# Altium PCB PROC054D_MMWCAS_RF_EVM_ASCII.PcbDoc (part 9 of 13) (continued)
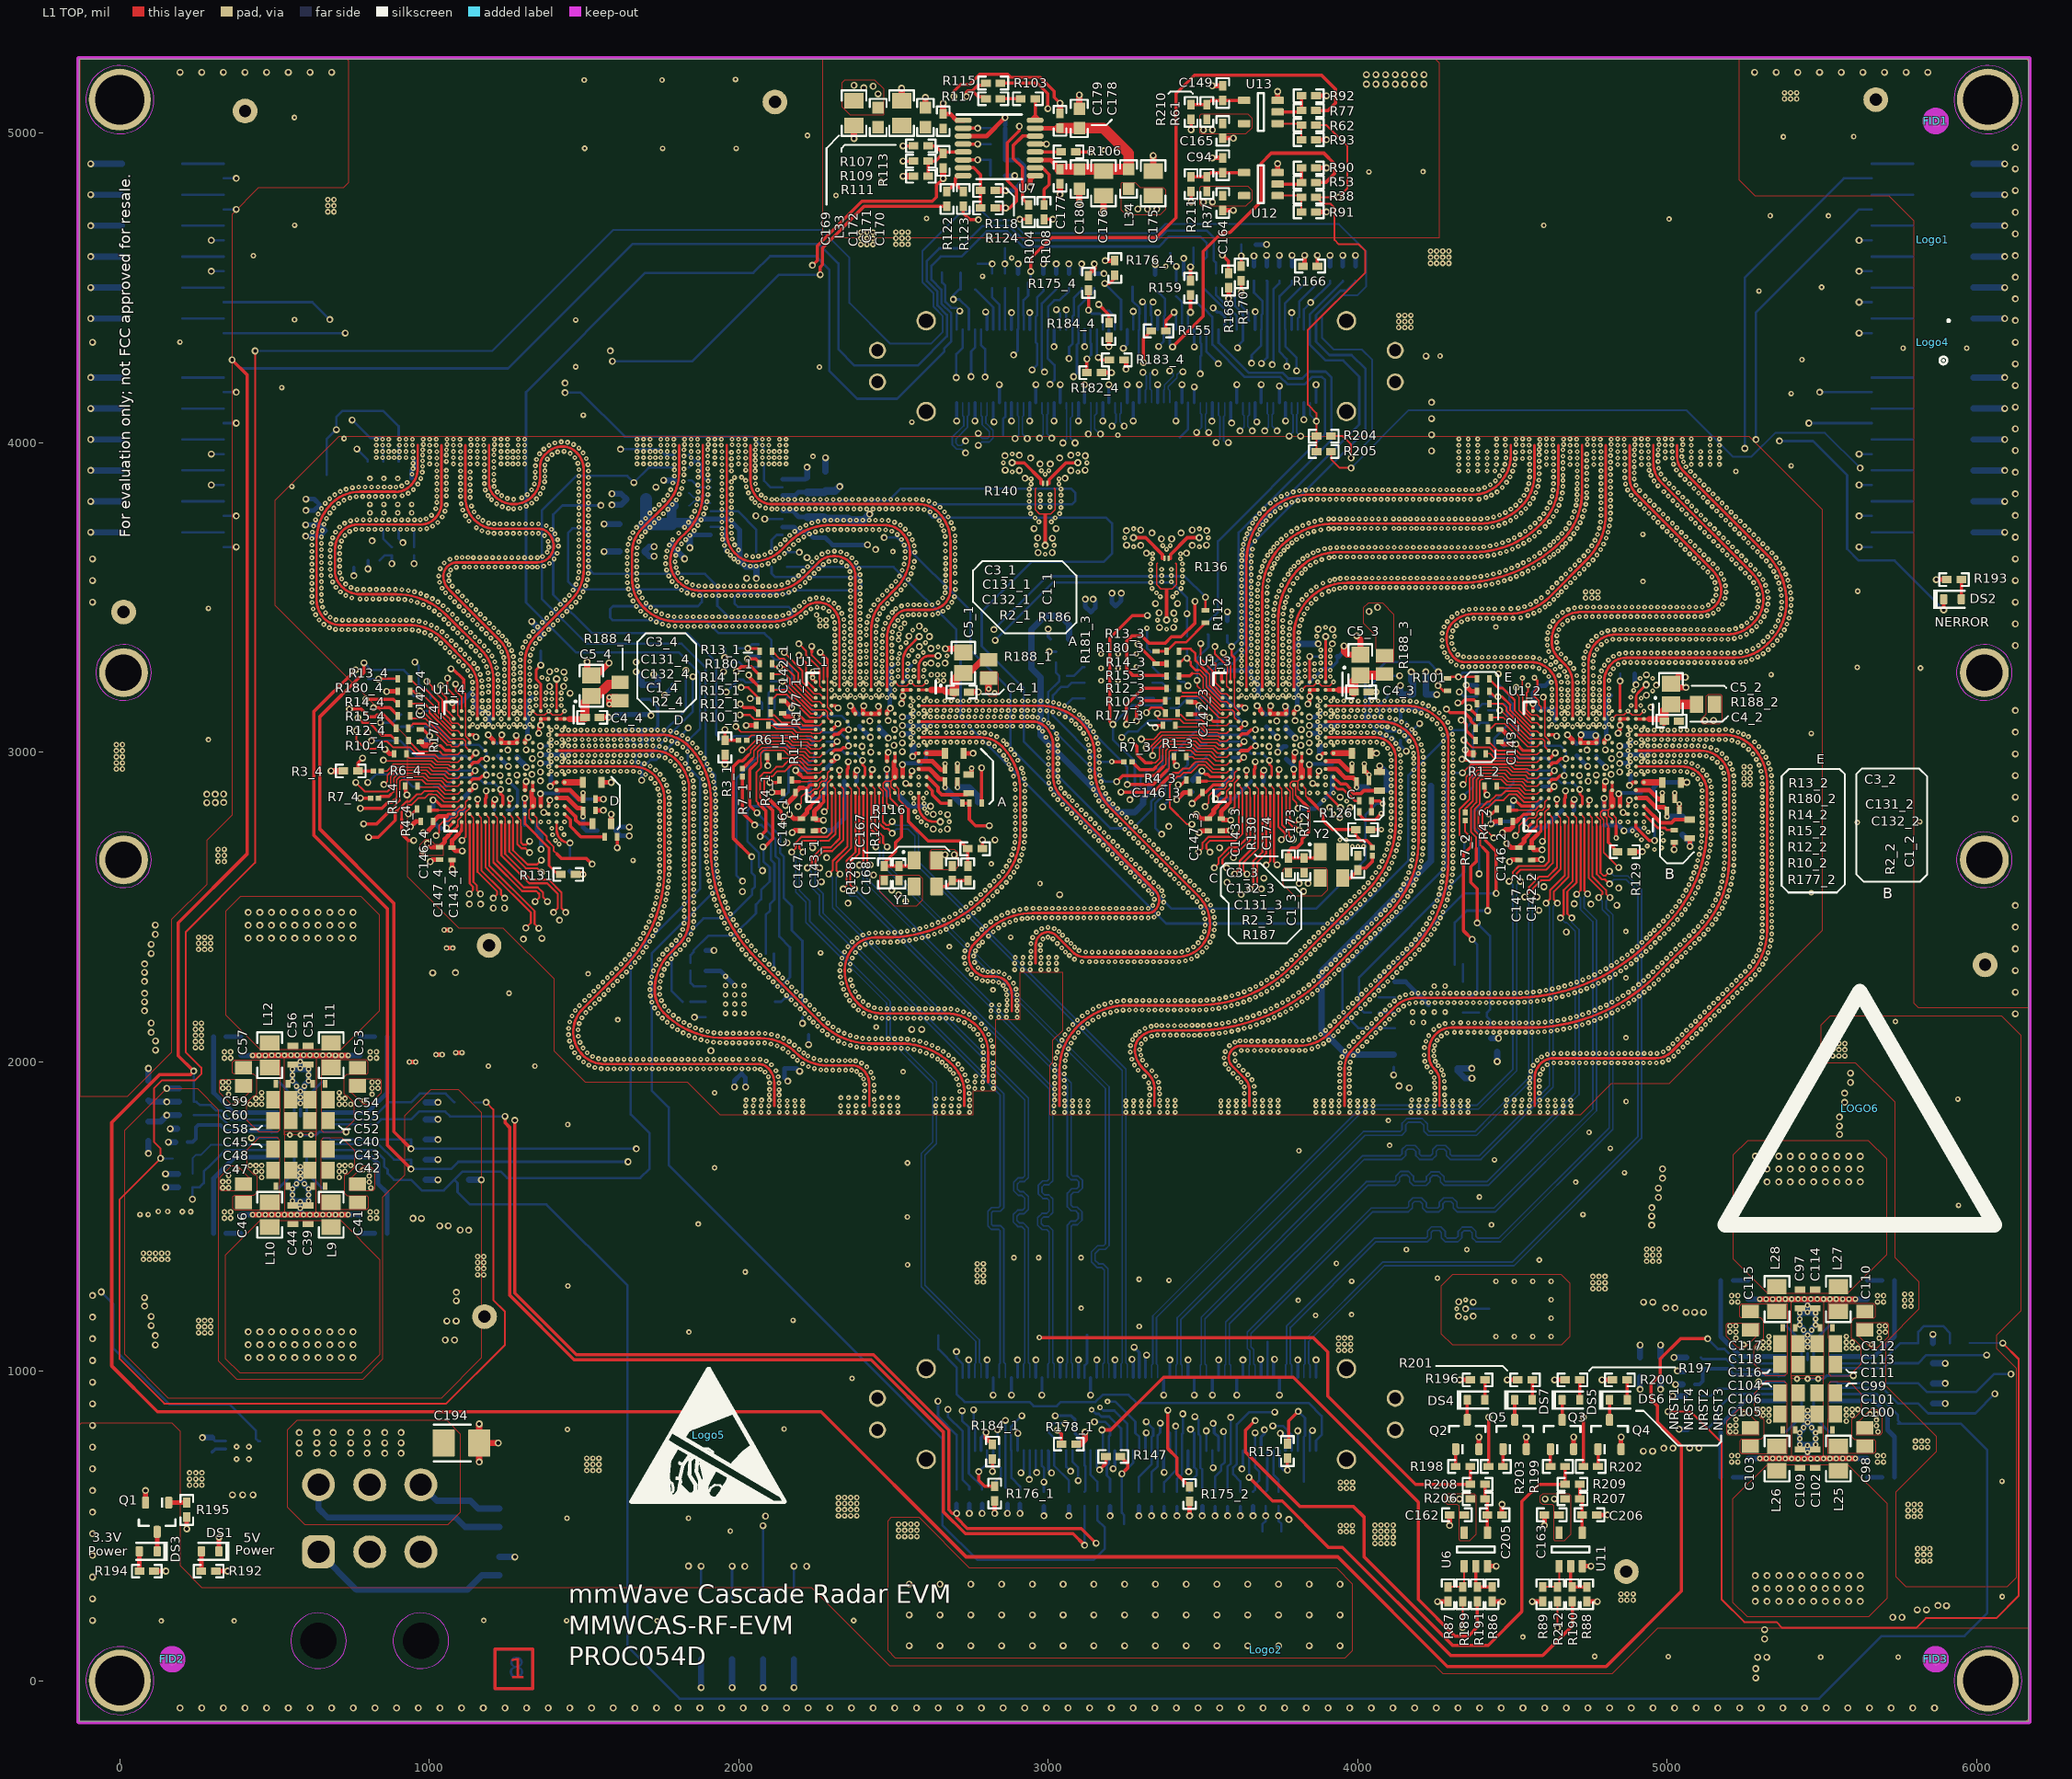
[diagram p0: L1 TOP view]
## Nets (pads, with @x,y where several pads share a name; then routed paths per layer and width w, separated by ;. In a path a pad name is that pad's centre, name@x,y a point inside that pad or via, vN(x,y) a via of type N, cw(c..) or ccw(c..) an arc to the next point about the centre after c; other vN are vias at no path point) (continued)
2551.12,3704.62 3642.87,3705.3 1483.66,3706.09 3839.48,3706.1 4660.25,3705.96 4698.77,3705.6 5233.52,3705.73 1209.35,3706.66 1230.02,3706.66 1250.69,3706.66 1271.36,3706.66 1292.03,3706.66 1312.7,3706.66 1333.37,3706.66 1352.64,3706.66 1805.76,3707.44 5167.62,3707 1976.4,3707.89 1190,3708.97 1657.78,3709.28 622.34,3710.42 5046.27,3710.35 5121.05,3710.19 697.07,3710.76 4587.24,3710.65 4809.52,3710.88 1698.2,3711.51 2247.8,3711.7 742.45,3713.31 2180.93,3713.18 3785.98,3712.53 3858.94,3713.05 4999.96,3713.28 2494.62,3713.56 4541.6,3713.75 1170.28,3715.16 2663,3715 654.36,3715.86 1855.9,3715.73 2267.94,3716.33 5265.67,3716.96 2288.5,3718.49 2474.53,3718.44 3880.97,3718.16 762.18,3719.47 2309.17,3718.66 2329.84,3718.66 2350.51,3718.66 2371.18,3718.66 2391.85,3718.66 2412.52,3718.66 2433.19,3718.66 2453.86,3718.66 3684.54,3719 782.85,3719.66 803.52,3719.66 824.19,3719.66 844.86,3719.66 865.53,3719.66 886.2,3719.66 906.87,3719.66 927.54,3719.66 948.21,3719.66 970.92,3719.66 1394.84,3719.85 5218.91,3720.34 2538.05,3720.63 3276.3,3721.45 3488.62,3721.43 3906.35,3721.46 991.42,3722.27 1514.34,3722.16 2693.82,3721.79 3650.68,3722.28 3922.61,3722 4672.98,3722.25 5153.01,3721.62 1945.72,3722.61 3803.75,3723.08 3940.69,3722.72 3961.36,3722.72 3982.03,3722.72 4002.7,3722.72 4023.37,3722.72 4044.04,3722.72 4064.71,3722.72 4087.38,3722.72 4117.05,3722.72 4133.72,3722.72 4152.39,3722.72 4173.06,3722.72 4190.73,3722.72 4209.4,3722.72 4230.07,3722.72 4250.74,3722.72 4271.41,3722.72 4292.08,3722.72 4312.75,3722.72 4333.42,3722.72 4354.09,3722.72 4374.76,3722.72 4395.43,3722.72 4709.8,3723.08 4781.05,3723.34 2198.47,3724.11 4416.07,3723.82 1152.1,3725.01 5031.66,3724.96 5106.44,3724.81 1669.88,3726.04 1712.82,3726.13 1824.62,3726.46 4558.11,3726.19 710.11,3726.8 1483.66,3726.76 4436.49,3727 4985.34,3727.9 1976.4,3728.56 4606.37,3728.85 1010.62,3729.93 626.29,3730.71 4813.99,3731.06 1377.92,3731.72 1868.03,3732.47 2656,3732 3822.33,3732.15 4456.49,3732.21 5251.05,3731.58 2217.04,3733.19 2522,3733.66 3693.93,3734.3 5204.29,3734.96 659.83,3735.79 5138.39,3736.24 1209.35,3737.33 1228.62,3737.34 1249.29,3737.34 1269.96,3737.34 1290.63,3737.34 1311.3,3737.34 1331.97,3737.34 1352.64,3737.34 726.43,3739.48 4475.87,3739.42 5091.82,3739.42 1191.7,3740.12 2236.44,3740.31 3660.38,3740.01 3841.58,3739.67 4573.69,3739.77 4683.99,3739.74 5017.04,3739.58 1684.23,3740.92 1727.43,3740.74 2686.79,3741.23 4719.24,3741.46 1027.3,3742.15 1837.72,3742.45 1514.34,3742.83 1945.72,3743.28 2503.57,3743.01 4970.72,3742.52 2970.06,3744.02 3010.14,3744.02 4620.19,3744.22 4784.89,3743.65 2256.47,3745.41 1128.67,3746.36 3861.39,3745.58 5236.44,3746.19 1483.66,3747.43 745.48,3747.51 1172.7,3748.25 2276.92,3748.43 2483.57,3748.25 2648.14,3747.68 3704.1,3748.02 1976.4,3749.23 2297.57,3749.34 2318.24,3749.34 2338.91,3749.34 2359.58,3749.34 2380.25,3749.34 2400.92,3749.34 2421.59,3749.34 2442.26,3749.34 2462.93,3749.34 4494.41,3748.54 632.51,3750.42 765.95,3750.34 786.62,3750.34 807.29,3750.34 827.96,3750.34 848.63,3750.34 869.3,3750.34 889.97,3750.34 910.64,3750.34 931.31,3750.34 951.98,3750.34 970.92,3750.34 1878.35,3750.38 3881.61,3749.86 5189.68,3749.57 5123.77,3750.85 4816.57,3751.57 3906.32,3753.12 3922.77,3753.4 3943.44,3753.4 3964.11,3753.4 3984.78,3753.4 4005.45,3753.4 4026.12,3753.4 4046.79,3753.4 4067.46,3753.4 4090.13,3753.4 4115.8,3753.4 4134.47,3753.4 4153.14,3753.4 4170.81,3753.4 4191.48,3753.4 4212.15,3753.4 4232.82,3753.4 4253.49,3753.4 4274.16,3753.4 4294.83,3753.4 4315.5,3753.4 4336.17,3753.4 4356.84,3753.4 4377.51,3753.4 4398.18,3753.43 989.88,3753.98 3670.39,3754.34 5002.43,3754.19 5077.21,3754.04 667.95,3754.8 1742.05,3755.36 4418.78,3755.05 4588.51,3754.5 1698.85,3755.54 2957.5,3756.58 3022.69,3756.59 4956.11,3757.13 4693.15,3758.27 2677.09,3759.48 4439.05,3759.1 4511.95,3759.49 1041.67,3759.86 1157.84,3759.84 1848.72,3759.95 4632.32,3760.96 4727.01,3760.62 5221.82,3760.81 1116.9,3763.35 1514.34,3763.5 3717.91,3763.4 1945.72,3763.95 2634.9,3763.55 4786.52,3764.26 5175.06,3764.19 1007.15,3765.34 5109.16,3765.47 4458.7,3765.52 1483.66,3768.1 640.91,3769.3 1886.72,3769.28 4987.81,3768.81 5062.59,3768.65 1756.66,3769.97 1976.4,3769.9 4601.66,3770.45 2943.4,3770.77 3036.79,3770.78 3683.04,3770.68 1713,3772 4528.29,3772.15 4817.26,3772.23 4941.49,3771.75 678.58,3772.53 4477.45,3774.23 5207.2,3775.43 1145.02,3776.06 2618.43,3776.03 2664.91,3776.18 3733.26,3777.25 4700.38,3777.64 1050.44,3778.57 1857.46,3778.68 4642.61,3778.88 5160.44,3778.81 4733.06,3780.38 5094.54,3780.08 1108.23,3782.11 4973.19,3783.43 5047.97,3783.27 1514.34,3784.17 2599.18,3783.57 1728.08,3784.77 1771.28,3784.59 1945.72,3784.62 4495.03,3785.09 4786.58,3784.93 1272.74,3785.9 2107.01,3785.66 2123.88,3785.66 2144.55,3785.66 2165.22,3785.66 2185.89,3785.66 2206.56,3785.66 2227.23,3785.66 2247.9,3785.66 2268.57,3785.66 2289.24,3785.66 2309.91,3785.66 2330.58,3785.66 2351.25,3785.66 2371.92,3785.66 2392.59,3785.66 2413.26,3785.66 2433.93,3785.66 2454.6,3785.66 2475.27,3785.66 2495.94,3785.66 2516.61,3785.66 2537.28,3785.66 2557.95,3785.66 2578.62,3785.66 3697.03,3785.9 4543.26,3786.4 4926.88,3786.36 651.4,3787.12 1020.73,3786.54 1255.62,3787.36 1293.3,3788.02 2086.59,3788.34 4612.71,3787.92 691.52,3788.65 1483.66,3788.77 1893.06,3788.95 3750.1,3789.23 2938.75,3790.22 3041.45,3790.22 5192.59,3790.04 1976.4,3790.57 2650.44,3790.93 2974.61,3792.08 3005.86,3792.08 1235.71,3792.93 4817.26,3792.9 5145.83,3793.42 1312.99,3794.3 1136.3,3794.8 5079.92,3794.7 2067.49,3796.24 1863.81,3798.35 4511.2,3797.97 4650.96,3797.79 4705.6,3797.64 4958.58,3798.04 5033.36,3797.89 1054.67,3798.81 1742.69,3799.38 3768.2,3799.21 1785.51,3799.58 4737.34,3800.6 4912.26,3800.98 1102.93,3802.09 1217.36,3802.44 4556.4,3802.35 706.7,3802.68 2633.48,3802.76 663.83,3803.63 1330.99,3804.48 3718.06,3804.3 1514.34,3804.84 1945.72,3805.29 5177.97,3804.66 4786.58,3805.6 1024.36,3806.89 2052.5,3806.5 3787.34,3807.03 4621.49,3806.63 5131.21,3808.04 1483.66,3809.44 1897.3,3809.18 5065.31,3809.31 2938.75,3810.22 3041.45,3810.22 1976.4,3811.24 2614.56,3811.07 2974.61,3812.08 3005.86,3812.08 3807.24,3812.59 4525.64,3812.75 4943.96,3812.66 5018.74,3812.5 724.19,3813.69 1757.28,3814.03 4817.26,3813.57 1201.32,3815.48 1798,3815 4708,3815 4897,3815 2107.01,3816.34 2123.66,3816.34 2141.66,3816.34 2160.33,3816.34 2181,3816.34 2201.67,3816.34 2222.34,3816.34 2243.01,3816.34 2263.68,3816.34 2284.35,3816.34 2305.02,3816.34 2325.69,3816.34 2346.36,3816.34 2367.03,3816.34 2387.7,3816.34 2408.37,3816.34 2429.04,3816.34 2449.71,3816.34 2470.38,3816.34 2491.05,3816.34 2511.72,3816.34 2532.39,3816.34 2553.06,3816.34 2573.73,3816.34 2594.38,3815.56 3735.09,3816.02 3827.66,3815.83 3890,3816 1272.74,3816.58 3848.31,3816.72 3868.98,3816.72 3910.32,3816.72 3930.99,3816.72 3951.66,3816.72 3972.33,3816.72 3993,3816.72 4013.67,3816.72 4034.34,3816.72 4055.01,3816.72 4075.68,3816.72 4096.35,3816.72 4117.02,3816.72 4137.69,3816.72 4158.36,3816.72 4179.03,3816.72 4199.7,3816.72 4220.37,3816.72 4241.04,3816.72 4261.71,3816.72 4282.38,3816.72 4303.05,3816.72 4323.72,3816.72 4344.39,3816.72 4365.06,3816.72 4392.65,3817.2 4657.26,3817.48 1346.52,3818.11 678.07,3818.61 1867.65,3818.66 5163.36,3819.27 1252.29,3819.61 2041.6,3819.84 4567.4,3819.85 743.42,3821.27 2086.82,3820.75 4739.81,3821.13 1298.93,3821.67 1131.82,3822.68 4414.4,3822.7 5116.6,3822.65 5050.69,3823.93 763.72,3825.15 784.39,3825.66 805.06,3825.66 825.73,3825.66 846.4,3825.66 867.07,3825.66 887.74,3825.66 1024.36,3825.96 1101.14,3825.96 1514.34,3825.51 1945.72,3825.96 3753.18,3826.02 4627.86,3826.29 4786.58,3826.27 4929.35,3827.27 5004.12,3827.12 912.43,3828.27 1055.04,3827.56 1190.01,3828.45 1233.61,3828.46 1483.66,3830.11 1770.23,3830.14 2938.75,3830.22 3041.45,3830.22 4432.5,3829.95 4537.64,3829.58 4884.19,3829.54 2072.77,3830.53 694.22,3831.51 1316.74,3832.16 1900,3832 1976.4,3831.91 2974.61,3832.08 3005.86,3832.08 4709,3832 1808,3833 3772.17,3834.18 4817.26,3834.24 5148.74,3833.89 1358.94,3834.64 931.63,3835.93 5101.98,3837.27 2031.15,3837.67 4661.45,3837.72 4576.07,3838.62 4740.48,3838.71 5036.08,3838.54 1219.84,3840.34 3791.87,3840.44 1869,3841 4450.45,3840.5 712.08,3841.93 4989.51,3841.73 1131.82,3843.35 3812.09,3844.73 4911.14,3845.49 1514.34,3846.18 1024.36,3846.63 1101.14,3846.63 1181.01,3847.06 1330.71,3847.4 1945.72,3846.63 2060.59,3847.23 3832.63,3847.01 3853.3,3847.4 3915.31,3847.4 3935.98,3847.4 3956.65,3847.4 3977.32,3847.4 3997.99,3847.4 4018.66,3847.4 4039.33,3847.4 4060,3847.4 4080.67,3847.4 4099.34,3847.4 4122.01,3847.4 4142.68,3847.4 4163.35,3847.4 4184.02,3847.4 4204.69,3847.4 4225.36,3847.4 4246.03,3847.4 4266.7,3847.4 4287.37,3847.4 4308.04,3847.4 4328.71,3847.4 4349.38,3847.4 4370.05,3847.4 4631.73,3846.6 4786.58,3846.94 4872.84,3846.81 948.3,3848.15 1055.04,3848.23 1780.33,3848.18 3873,3848 3893,3848 4546.84,3848.09 4390.66,3849.02 5134.12,3848.51 731.26,3849.63 2938.75,3849.99 3041.45,3849.99 4709,3850 1483.66,3850.78 1816,3852 5087.36,3851.89 1367.72,3853.35 1976.4,3852.58 5021.46,3853.16 751.35,3854.46 1901,3855 4410.55,3854.62 4467.35,3854.8 4817.26,3854.91 771.94,3856.32 792.61,3856.34 813.28,3856.34 833.95,3856.34 854.62,3856.34 873.29,3856.34 891.93,3856.34 2024.68,3857.31 1209.7,3858.35 4582.28,3858.34 4663.49,3858.29 4740.48,3859.38 910.88,3859.97 4970.91,3860.33 4899.34,3862.46 1868,3863 5119.51,3863.12 1131.82,3864.02 4428.97,3864 962.82,3865.74 1339.6,3866.06 2944.99,3866.41 3035.25,3866.41 4865.77,3866.23 1024.36,3867.3 1101.14,3867.3 1177.92,3867.5 1514.34,3866.85 1945.72,3867.3 2054.09,3866.85 4633.02,3867.23 4709.8,3867.3 5072.75,3866.5 4553,3867.83 4786.58,3867.61 5006.84,3867.78 1055.04,3868.9 1787,3870 928.15,3871.34 1483.66,3871.45 4481.36,3871.63 1372.49,3873.46 1976.4,3873.25 1821,3874 1901,3876 4817.26,3875.58 4957.84,3876.34 4445.2,3876.8 1208.6,3878.17 2022.5,3877.86 4663.7,3877.9 5104.89,3877.74 4585.9,3878.68 4740.48,3880.05 5058.13,3881.12 4894.2,3882.48 4992.83,3881.79 2944.99,3882.68 3035.25,3882.68 972.09,3884.21 1131.82,3884.69 1342.66,3886.5 1986.5,3887 2053.18,3886.88 4863.37,3886.76 1024.36,3887.97 1101.14,3887.97 1177.92,3887.97 1514.34,3887.52 1868.94,3887.97 1945.72,3887.97 2009,3888 4555.96,3888.28 4633.02,3887.97 4709.8,3887.97 4786.58,3888.28 4492.53,3889.02 1055.04,3889.57 1373.34,3890.67 1483.66,3892.12 1792,3892 5090.28,3892.35 4458.63,3892.52 4663.7,3894.18 4948.13,3894.59 1823,3896 1900,3896 4817.26,3896.25 5043.52,3895.73 2990.12,3897.23 944.36,3897.82 1208.6,3898.17 4980.36,3898.28 4586.92,3899.33 4740.48,3900.72 4894.05,3902.43 977.24,3904.23 1131.82,3905.36 1342.66,3904.67 2883.94,3905.68 3096.26,3905.66 5075.66,3906.97 1514.34,3908.19 4501.1,3907.83 1024.36,3908.64 1101.14,3908.64 1177.92,3908.64 1373.34,3908.67 1868.94,3908.64 1945.72,3908.64 1976.4,3908.53 2053.18,3908.88 2978.12,3909.23 3002.12,3909.23 4326.89,3908.64 4357.37,3908.64 4387.85,3908.64 4418.33,3908.64 4443.81,3908.64 4556.24,3908.95 4633.02,3908.64 4709.8,3908.64 4786.58,3908.95 4863.37,3908.64 1055.04,3910.24 4468.97,3910.41 2022.5,3910.64 4942.01,3911 5030.06,3911.42 1792.16,3911.64 1483.66,3912.79 1822.84,3914.95 1899.62,3915.11 4663.7,3914.85 947.58,3916.24 4817.26,3916.61 4972.86,3917.54 1208.6,3918.84 4586.92,3920 4740.48,3921.39 4894,3921 5061.05,3921.59 978.26,3923.05 1342.68,3925.34 2053.18,3925.55 1373.52,3927.34 1976.4,3927.2 4506.9,3927.67 1024.36,3929.31 1101.14,3929.31 1177.92,3929.31 1512.89,3928.81 1792.16,3929.31 1868.94,3929.31 1945.72,3929.31 2022.5,3929.31 4326.89,3929.31 4357.37,3929.31 4387.85,3929.31 4418.33,3929.31 4448.81,3929.31 4609.97,3929.31 4633.02,3929.31 4686.59,3929.31 4709.8,3929.31 4763.37,3929.31 4786.58,3929.31 4840.31,3929.31 4863.36,3929.31 4917.09,3929.31 4940.45,3929.31 4475.91,3929.88 4556.24,3929.62 5020.99,3930 5077.98,3929.62 5108.46,3929.62 5138.94,3929.62 5169.42,3929.62 1001.31,3931.32 1078.09,3931.32 1131.82,3930.79 1154.87,3931.32 1231.65,3931.32 1252.7,3931.32 1270.04,3931.32 1287.38,3931.32 1308.43,3931.32 1671.28,3931.32 1692.33,3931.32 1713.38,3931.32 1730.72,3931.32 1748.06,3931.32 1769.11,3931.32 1845.89,3931.32 1922.67,3931.32 1999.45,3931.32 2076.23,3931.32 2097.28,3931.32 2114.62,3931.32 2131.96,3931.32 2153.01,3931.32 947.58,3932.98 1480.15,3933.16 2855.06,3934.57 3125.14,3934.55 1822.84,3935.62 1899.62,3935.78 4663.7,3935.52 4817.26,3937.28 5053.25,3938.35 1055.04,3939.16 4894.04,3939.31 4970.82,3938.94 1208.6,3939.68 4586.92,3940.36 978.26,3941.05 4740.48,3942.06 2053.64,3943 1346.36,3945.68 1381.41,3946.44 1976.4,3947.87 4509.8,3948.13 4532.86,3948.3 1507.06,3948.64 947.58,3949.98 1024.36,3949.98 1101.14,3949.98 1177.92,3949.98 1792.16,3949.98 1868.94,3949.98 1945.72,3949.98 2022.5,3949.98 4326.89,3949.98 4357.37,3949.98 4387.85,3949.98 4418.33,3949.98 4448.81,3949.98 4479.19,3950.29 4556.24,3949.98 4609.97,3949.98 4633.02,3949.98 4686.59,3949.98 4709.8,3949.98 4763.37,3949.98 4786.58,3949.98 4840.31,3949.98 4863.36,3949.98 4917.09,3949.98 4940.14,3949.98 4993.87,3949.98 5017.06,3949.98 5077.98,3950.29 5108.46,3950.29 5138.94,3950.29 5169.42,3950.29 828.8,3951.32 848.8,3951.32 868.8,3951.32 886.14,3951.32 903.48,3951.32 924.58,3951.32 1001.31,3951.32 1078.09,3951.32 1131.82,3951.46 1154.87,3951.32 1231.65,3951.32 1252.7,3951.32 1270.04,3951.32 1287.38,3951.32 1308.43,3951.32 1470.28,3951.32 1671.28,3951.32 1692.33,3951.32 1713.38,3951.32 1730.72,3951.32 1748.06,3951.32 1769.11,3951.32 1845.89,3951.32 1922.67,3951.32 1999.45,3951.32 2076.23,3951.32 2097.28,3951.32 2114.62,3951.32 2131.96,3951.32 2153.01,3951.32 5047.6,3955.02 1822.84,3956.29 1899.62,3956.45 4663.7,3956.19 4817.26,3957.95 978.26,3959.72 1055.04,3959.83 1208.6,3960.35 2053.64,3960 4894.04,3959.98 4970.82,3959.61 1396.3,3960.77 4586.92,3961.03 2883.94,3963.46 3096.26,3963.44 4740.48,3962.73 1356.11,3963.9 1455.02,3965.26 1497.05,3966.72 1976.4,3968.54 4510.14,3968.8 1414.84,3969.93 828.8,3971.32 848.8,3971.32 868.8,3971.32 886.14,3971.32 903.48,3971.32 924.58,3971.32 947.58,3970.65 1001.31,3971.32 1024.36,3970.65 1078.09,3971.32 1101.14,3970.65 1154.87,3971.32 1177.92,3970.65 1231.65,3971.32 1252.7,3971.32 1270.04,3971.32 1287.38,3971.32 1308.43,3971.32 1671.28,3971.32 1692.33,3971.32 1713.38,3971.32 1730.72,3971.32 1748.06,3971.32 1769.11,3971.32 1792.16,3970.65 1845.89,3971.32 1868.94,3970.65 1922.67,3971.32 1945.72,3970.65 1999.45,3971.32 2022.5,3970.65 2076.23,3971.32 2097.28,3971.32 2114.62,3971.32 2131.96,3971.32 2153.01,3971.32 4327.16,3970.65 4357.64,3970.65 4388.12,3970.65 4418.6,3970.65 4449.08,3970.65 4479.46,3970.96 4533.19,3970.96 4556.24,3970.65 4609.97,3970.65 4633.02,3970.65 4686.59,3970.65 4709.8,3970.65 4763.37,3970.65 4786.58,3970.65 4840.31,3970.65 4863.36,3970.65 4917.09,3970.65 4940.14,3970.65 4993.87,3970.65 5016.92,3970.65 5077.98,3970.65 5108.46,3970.65 5138.94,3970.65 5169.42,3970.65 1131.82,3972.13 1435.42,3971.82 5047.6,3975.38 978.8,3977 1055.8,3977 1209.8,3977 1822.84,3976.96 1899.62,3977.12 2053.64,3977 4663.7,3976.86 4818,3976.69 4895,3976.69 4971,3976.69 4586.92,3977.7 1370.3,3978.94 1483.36,3982.21 828.8,3991.32 848.8,3991.32 868.8,3991.32 903.48,3991.32 924.58,3991.32 945.58,3991.32 1001.31,3991.32 1022.36,3991.32 1078.09,3991.32 1099.14,3991.32 1154.87,3991.32 1175.92,3991.32 1231.65,3991.32 1252.7,3991.32 1287.38,3991.32 1308.43,3991.32 1386.91,3991.23 1671.28,3991.32 1692.33,3991.32 1713.38,3991.32 1748.06,3991.32 1769.11,3991.32 1790.16,3991.32 1845.89,3991.32 1866.94,3991.32 1922.67,3991.32 1943.72,3991.32 1999.45,3991.32 2020.5,3991.32 2076.23,3991.32 2097.28,3991.32 2131.96,3991.32 2153.01,3991.32 4327.16,3991.32 4357.64,3991.32 4388.12,3991.32 4449.08,3991.32 4477.46,3991.32 4533.19,3991.32 4554.24,3991.32 4609.97,3991.32 4631.02,3991.32 4686.59,3991.32 4707.8,3991.32 4763.37,3991.32 4784.58,3991.32 4840.31,3991.32 4861.36,3991.32 4917.09,3991.32 4938.14,3991.32 4993.87,3991.32 5014.92,3991.32 5077.98,3991.32 5138.94,3991.32 5169.42,3991.32 1134.8,3992 1978.64,3993 980.8,3994 1056.8,3994 1210.8,3994 1466.4,3994.02 1824.64,3994 1901.64,3994 2055.64,3994 4512.14,3994.05 4588.92,3994.05 4665.7,3994.05 4742.48,3994.05 4896,3993.69 4974,3993.69 5051,3993.69 4819,3994.69 1405.95,3999.3 1446.94,4001 1426.34,4002.68 828.8,4010.99 848.8,4010.99 868.8,4010.99 903.48,4011.05 924.58,4010.99 945.58,4010.99 980.26,4011.05 1001.31,4010.99 1022.36,4010.99 1057.04,4011.05 1078.09,4010.99 1099.14,4010.99 1133.82,4011.05 1154.87,4010.99 1175.92,4010.99 1210.6,4011.05 1231.65,4010.99 1252.7,4010.99 1287.38,4011.05 1308.43,4011.05 1671.28,4010.99 1692.33,4010.99 1713.38,4010.99 1748.06,4011.05 1769.11,4011.05 1790.16,4010.99 1824.84,4011.05 1845.89,4011.05 1866.94,4010.99 1901.62,4011.05 1922.67,4011.05 1943.72,4010.99 1978.4,4011.05 1999.45,4011.05 2020.5,4010.99 2055.18,4011.05 2076.23,4011.05 2097.28,4010.99 2131.96,4011.05 2153.01,4011.05 4477.46,4010.99 4512.14,4011.05 4554.24,4010.99 4588.92,4011.05 4631.02,4010.99 4665.7,4011.05 4707.8,4010.99 4742.48,4011.05 4784.58,4010.99 4819.26,4011.05 4861.36,4010.99 4896.04,4011.05 4938.14,4010.99 4972.82,4011.05 5014.92,4010.99 5049.6,4011.05 4327.16,4011.99 4357.64,4011.99 4388.12,4011.99 4449.08,4011.99 4533.19,4011.99 4609.97,4011.99 4686.59,4011.99 4763.37,4011.99 4840.31,4011.99 4917.09,4011.99 4993.87,4011.99 5077.98,4011.99 5138.94,4011.99 5169.42,4011.99
  other v2: 194.43,-88.31 264.43,-88.31 334.43,-88.31 404.43,-88.31 474.43,-88.31 544.42,-88.31 614.42,-88.31 684.42,-88.31 754.42,-88.31 824.42,-88.31 894.42,-88.31 964.42,-88.31 1034.41,-88.31 1104.41,-88.31 1174.41,-88.31 1244.41,-88.31 1314.41,-88.31 1384.41,-88.31 1454.41,-88.31 1524.41,-88.31 1594.4,-88.31 1664.4,-88.31 1734.4,-88.31 1804.4,-88.31 1874.4,-88.31 1944.4,-88.31 2014.4,-88.31 2084.39,-88.31 2154.39,-88.31 2224.39,-88.31 2294.39,-88.31 2364.39,-88.31 2434.39,-88.31 2504.39,-88.31 2574.38,-88.31 2644.38,-88.31 2714.38,-88.31 2784.38,-88.31 2854.38,-88.31 2924.38,-88.31 2994.38,-88.31 3064.37,-88.31 3134.37,-88.31 3204.37,-88.31 3274.37,-88.31 3344.37,-88.31 3414.37,-88.31 3484.37,-88.31 3554.36,-88.31 3624.36,-88.31 3694.36,-88.31 3764.36,-88.31 3834.36,-88.31 3904.36,-88.31 3974.36,-88.31 4044.35,-88.31 4114.35,-88.31 4184.35,-88.31 4254.35,-88.31 4324.35,-88.31 4394.35,-88.31 4464.35,-88.31 4534.35,-88.31 4604.34,-88.31 4674.34,-88.31 4744.34,-88.31 4814.34,-88.31 4884.34,-88.31 4954.34,-88.31 5024.34,-88.31 5094.33,-88.31 5164.33,-88.31 5234.33,-88.31 5304.33,-88.31 5374.33,-88.31 5444.33,-88.31 5514.33,-88.31 5584.32,-88.31 5654.32,-88.31 5724.32,-88.31 5794.32,-88.31 5864.32,-88.31 5286.85,8.84 5286.85,38.8 5292.5,75.61 5322.45,75.61 5315.23,134.73 5315.23,164.68 -88.31,194.43 5729.21,204.53 5759.16,204.53 5808.48,228.47 5838.43,228.47 5875.63,242.42 5902.94,242.23 5360.63,256.03 5435.96,256.03 5511.29,256.03 5586.63,256.03 -88.31,264.43 5322.96,297.53 5398.29,297.53 5473.63,297.53 5548.96,297.53 5624.29,297.53 -88.31,334.43 5360.63,339.03 5435.96,339.03 5511.29,339.03 5586.63,339.03 -88.31,404.43 -88.31,474.43 -88.31,544.42 363.74,600.23 397.08,600.23 430.41,600.23 -88.31,614.42 -88.31,684.42 4923.43,741.29 4953.38,741.29 4989.42,750.89 5019.37,750.89 5073.16,751.52 5103.11,751.52 -88.31,754.42 -88.31,824.42 -88.31,894.42 -88.31,964.42 -88.31,1034.41 489.9,1043.88 565.24,1043.88 640.57,1043.88 715.9,1043.88 114.64,1084.79 452.24,1085.38 527.57,1085.38 602.9,1085.38 678.24,1085.38 753.57,1085.38 1051.66,1100.45 1081.61,1100.45 -88.31,1104.41 114.64,1114.74 489.9,1126.88 565.24,1126.88 640.57,1126.88 715.9,1126.88 101.38,1146.98 1056.79,1161.82 1086.74,1161.82 -88.31,1174.41 101.38,1176.93 4325.94,1177.24 4373.38,1177.24 5061.5,1190.19 5088.82,1190 5117.84,1190 4995.8,1204.21 5025.75,1204.21 79.9,1210.19 4373.38,1223 4924.05,1222.88 4954,1222.88 4326.78,1223.84 1087.18,1227.36 79.71,1237.5 -88.31,1244.41 1087.37,1254.68 1127,1455.4 1099.68,1455.59 1033.7,1469.73 1061.01,1469.54 4950.43,1471.54 974.56,1493.36 947.24,1493.55 4950.43,1500.56 4950.62,1527.88 4972.11,1561.14 4972.11,1591.09 5360.63,1611.18 5435.96,1611.18 5511.29,1611.18 5586.63,1611.18 4985.36,1623.33 4985.36,1653.28 5322.96,1652.68 5398.29,1652.68 5473.63,1652.68 5548.96,1652.68 5624.29,1652.68 5360.63,1694.18 5435.96,1694.18 5511.29,1694.18 5586.63,1694.18 5557.39,1764.68 5557.2,1791.99 5557.2,1821.02 5573.77,1868.27 5573.77,1898.22 5592.96,1932.66 5592.96,1962.61 115.16,2037.09 115.16,2067.04 101.2,2094.29 101.2,2124.24 6125.31,2154.39 79.71,2164.14 79.71,2193.16 79.9,2220.47 6125.31,2224.39 79.71,2259.4 1010.97,2286.94 1084.52,2287.44 79.71,2288.42 6125.31,2294.39 79.9,2315.73 101.38,2348.99 6125.31,2364.39 101.38,2378.95 1304,2396 1364,2398 489.9,2399.04 565.24,2399.04 640.57,2399.04 715.9,2399.04 114.64,2411.18 4674.4,2418.5 6125.31,2434.39 114.64,2441.14 452.24,2440.54 527.57,2440.54 602.9,2440.54 678.24,2440.54 753.57,2440.54 1421,2456.6 489.9,2482.04 565.24,2482.04 640.57,2482.04 715.9,2482.04 4586,2489 1206.6,2496 1243,2496 6125.31,2504.39 4838,2505 1129.6,2509 1166,2509 4754,2509 4700,2510 2353,2511.88 2539.75,2518.13 2516.78,2539.1 3624,2539.99 3825.42,2550.09 2494.1,2554.23 4844,2561 4602,2565 3810.74,2575.49 3840.09,2575.49 3578,2578.99 2267,2580.88 3697,2592.99 4557,2597 2436,2602.88 2382,2603.88 2284,2658.88 3599,2658.99 2666.94,2668.19 2696.64,2668.19 2239,2690.88 3554,2690.99 2156,2706.88 2828.14,2716.33 2628.42,2751.48 2674.18,2751.48 3389.76,2759.92 6125.31,2784.38 3942.36,2788.3 2675.02,2798.08 2628.42,2798.92 3910.01,2820.66 3975.91,2820.66 280.98,2836.75 308.29,2836.94 335.61,2837.13 3943.55,2854.2 6125.31,2854.38 280.79,2864.06 308.1,2864.25 335.42,2864.44 4745.08,2905.92 1358.79,2907.3 1228.79,2924.22 6125.31,2924.38 1283.49,2925.9 4771.49,2925.9 1331.59,2927.9 4819.59,2927.9 1358.79,2935.7 4846.79,2935.7 1333.09,2979.1 4821.09,2979.1 6125.31,2994.38 2427.08,2999.92 2528.79,3001.3 3843.79,3001.3 1253.44,3006.81 4741.44,3006.81 1312.89,3007.7 4800.89,3007.7 2398.79,3018.22 3713.79,3018.22 2501.59,3021.9 3816.59,3021.9 2528.79,3029.7 3843.79,3029.7 6125.31,3064.37 2503.09,3073.1 3818.09,3073.1 2423.44,3100.81 3738.44,3100.81 2482.89,3101.7 3797.89,3101.7 6125.31,3134.37 4948,3144.65 4933.24,3183.92 1454.85,3190.5 1388.55,3212.28 1434.31,3212.28 4965.6,3216.27 4933.24,3249.82 1435.15,3258.88 1388.55,3259.72 2621.12,3287.28 2666.88,3287.28 2621.12,3334.72 2583.59,3341.06 6125.31,3344.37 3918.26,3349.73 2615.95,3373.42 2550.05,3374.6 3919.1,3396.33 3872.5,3397.17 3359.58,3402.57 3405.34,3402.57 2583.59,3406.96 6125.31,3414.37 3406.18,3449.17 3358.58,3450.01 3346.87,3480.29 3418.07,3480.29 -88.31,3484.37 6125.31,3484.37 -88.31,3554.36 6125.31,3554.36 -88.31,3624.36 6125.31,3624.36 3317.77,3642.85 3447.15,3642.85 2967.22,3644.58 3012.98,3644.58 3299.18,3667.84 3465.74,3667.82 3253.42,3668.84 3511.5,3668.82 3365.84,3689.22 3399.08,3689.22 3013.82,3691.18 2966.22,3692.02 6125.31,3694.36 3335.3,3708.17 3429.62,3708.15 3252.58,3715.44 3512.34,3715.42 3299.18,3717.28 3465.74,3717.26 2954.51,3722.3 3025.71,3722.3 6125.31,3764.36 6125.31,3834.36 2925.41,3884.86 3054.79,3884.86 6125.31,3904.36 2906.82,3909.85 3073.38,3909.83 2861.06,3910.85 3119.14,3910.83 2973.48,3931.23 3006.72,3931.23 2942.94,3950.18 3037.26,3950.16 2860.22,3957.45 3119.98,3957.43 2906.82,3959.29 3073.38,3959.27 6125.31,3974.36 6125.31,4044.35 6125.31,4114.35 6125.31,4184.35 6125.31,4254.35 -88.31,4324.35 6125.31,4324.35 6125.31,4394.35 6125.31,4464.35 6125.31,4534.35 6125.31,4604.34 6125.31,4674.34 6125.31,4744.34 6125.31,4814.34 6125.31,4884.34 6125.31,4954.34 194.43,5196.31 264.43,5196.31 334.43,5196.31 404.43,5196.31 474.43,5196.31 544.42,5196.31 614.42,5196.31 684.42,5196.31 5282.79,5196.31 5352.79,5196.31 5422.79,5196.31 5492.79,5196.31 5562.78,5196.31 5632.78,5196.31 5702.78,5196.31 5772.78,5196.31 5842.78,5196.31